# KiCad board panel.kicad_pcb (continued)
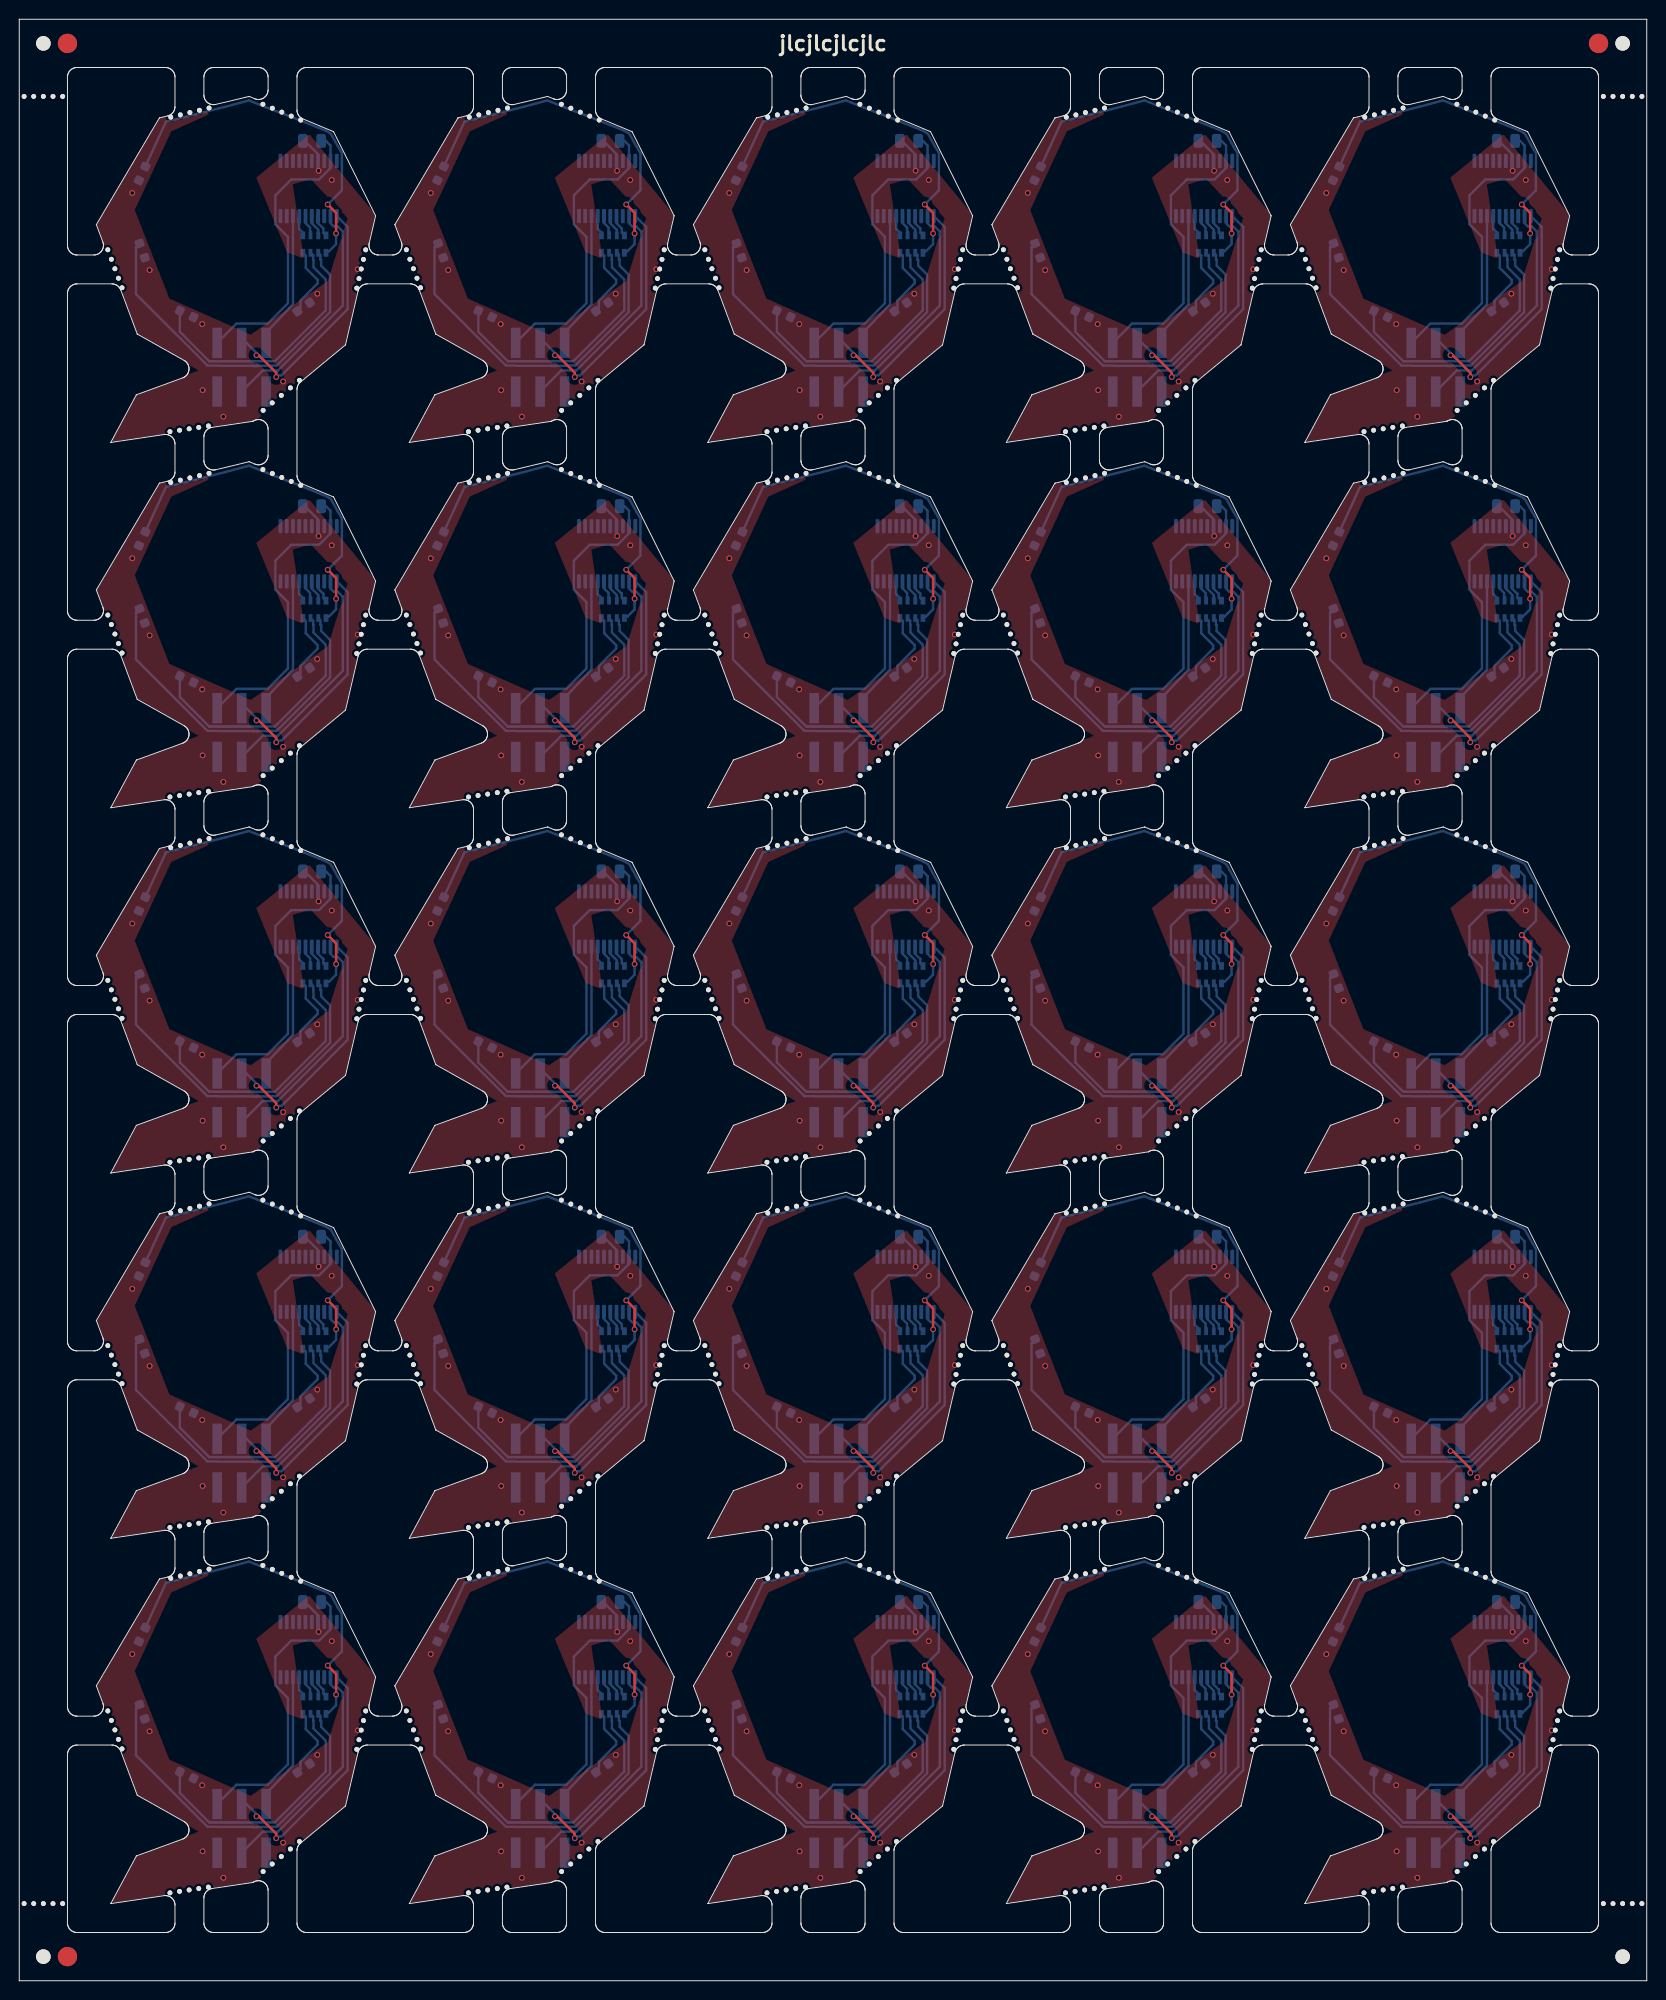
[diagram p0: board, top side]
## Placement (name value [footprint] x y rotation side) (continued)
U1#16  CH32V003FxPx  [TSSOP-20_4.4x6.5mm_P0.65mm]  91.98 110.11 270 bottom
U1#17  CH32V003FxPx  [TSSOP-20_4.4x6.5mm_P0.65mm]  122.96 185.88 270 bottom
U1#18  CH32V003FxPx  [TSSOP-20_4.4x6.5mm_P0.65mm]  153.94 147.99 270 bottom
U1#19  CH32V003FxPx  [TSSOP-20_4.4x6.5mm_P0.65mm]  91.98 72.22 270 bottom
U1#20  CH32V003FxPx  [TSSOP-20_4.4x6.5mm_P0.65mm]  61 147.99 270 bottom
U1#21  CH32V003FxPx  [TSSOP-20_4.4x6.5mm_P0.65mm]  153.94 72.22 270 bottom
U1#22  CH32V003FxPx  [TSSOP-20_4.4x6.5mm_P0.65mm]  61 110.11 270 bottom
U1#23  CH32V003FxPx  [TSSOP-20_4.4x6.5mm_P0.65mm]  61 72.22 270 bottom
U1#24  CH32V003FxPx  [TSSOP-20_4.4x6.5mm_P0.65mm]  61 34.34 270 bottom
U1#25  CH32V003FxPx  [TSSOP-20_4.4x6.5mm_P0.65mm]  153.94 110.11 270 bottom

## Library data of the parts
C1 C1#2-C1#25 = -: Description: Unpolarized capacitor, small symbol
U1 U1#2-U1#25 = -: Datasheet: https://www.wch-ic.com/products/CH32V003.html; Description: CH32V003 series are industrial-grade general-purpose microcontrollers designed based on 32-bit RISC-V instruction set and architecture. It adopts QingKe V2A core, RV32EC instruction set, and supports 2 levels of interrupt nesting. The series are mounted with rich peripheral interfaces and function modules. Its internal organizational structure meets the low-cost and low-power embedded application scenarios.

## Footprints (pads in the part's own frame, mm; a bottom-side part is the same pattern mirrored in y, then rotated)
C_0805_2012Metric
  rrect 1x1.45 smd: 1(-0.95,0) 2(0.95,0)
Fiducial
  round 2 smd: (0,0)
LED_0603_1608Metric
  rrect 0.875x0.95 smd: 1(-0.787,0) 2(0.787,0)
NPTH
  round 0.5 hole 0.5 unplated: (0,0)
NPTH#2
  round 1.5 hole 1.5 unplated: (0,0)
PinHeader_2x03_P2.54mm_Vertical_SMD
  rect 3.15x1 smd: 1(-2.525,2.54) 2(2.525,2.54) 3(-2.525,0) 4(2.525,0) 5(-2.525,-2.54) 6(2.525,-2.54)
R_Array_Convex_4x0603
  rect 0.8x0.5 smd: 1(-0.9,1.2) 4(-0.9,-1.2) 5(0.9,-1.2) 8(0.9,1.2)
  rect 0.8x0.4 smd: 2(-0.9,0.4) 3(-0.9,-0.4) 6(0.9,-0.4) 7(0.9,0.4)
TSSOP-20_4.4x6.5mm_P0.65mm
  rrect 1.475x0.4 smd: 1(-2.862,2.925) 2(-2.862,2.275) 3(-2.862,1.625) 4(-2.862,0.975) 5(-2.862,0.325) 6(-2.862,-0.325) 7(-2.862,-0.975) 8(-2.862,-1.625) 9(-2.862,-2.275) 10(-2.862,-2.925) 11(2.862,-2.925) 12(2.862,-2.275) 13(2.862,-1.625) 14(2.862,-0.975) 15(2.862,-0.325) 16(2.862,0.325) 17(2.862,0.975) 18(2.862,1.625) 19(2.862,2.275) 20(2.862,2.925)

## Nets
Board_0-A: RN1#25.8 U1#13.14
Board_0-B: RN1#25.7 U1#13.15
Board_0-C: RN1#25.6 U1#13.16
Board_0-D: RN1#25.5 U1#13.17
Board_0-Net-(D2-A): D2#14.2 RN1#25.1
Board_0-Net-(D4-A): D4#25.2 RN1#25.2
Board_0-Net-(D6-A): D6#5.2 RN1#25.3
Board_0-Net-(D8-A): D8#9.2 RN1#25.4
Board_0-SCL: J1#22.4 U1#13.12
Board_0-SDA: J1#22.3 U1#13.11
Board_0-SWIO: J1#22.5 U1#13.18
Board_0-unconnected-(J1-Pin_6-Pad6): J1#22.6
Board_0-unconnected-(U1-PA1-Pad5): U1#13.5
Board_0-unconnected-(U1-PA2-Pad6): U1#13.6
Board_0-unconnected-(U1-PC0-Pad10): U1#13.10
Board_0-unconnected-(U1-PC3-Pad13): U1#13.13
Board_0-unconnected-(U1-PD0-Pad8): U1#13.8
Board_0-unconnected-(U1-PD2-Pad19): U1#13.19
Board_0-unconnected-(U1-PD3-Pad20): U1#13.20
Board_0-unconnected-(U1-PD4-Pad1): U1#13.1
Board_0-unconnected-(U1-PD5-Pad2): U1#13.2
Board_0-unconnected-(U1-PD6-Pad3): U1#13.3
Board_0-unconnected-(U1-PD7-Pad4): U1#13.4
Board_0-VCC: C1#4.2 J1#22.1 U1#13.9
Board_0-VSS: C1#4.1 D2#14.1 D4#25.1 D6#5.1 D8#9.1 J1#22.2 U1#13.7
Board_1-A: RN1#10.8 U1.14
Board_1-B: RN1#10.7 U1.15
Board_1-C: RN1#10.6 U1.16
Board_1-D: RN1#10.5 U1.17
Board_1-Net-(D2-A): D2#10.2 RN1#10.1
Board_1-Net-(D4-A): D4#10.2 RN1#10.2
Board_1-Net-(D6-A): D6#15.2 RN1#10.3
Board_1-Net-(D8-A): D8#20.2 RN1#10.4
Board_1-SCL: J1#17.4 U1.12
Board_1-SDA: J1#17.3 U1.11
Board_1-SWIO: J1#17.5 U1.18
Board_1-unconnected-(J1-Pin_6-Pad6): J1#17.6
Board_1-unconnected-(U1-PA1-Pad5): U1.5
Board_1-unconnected-(U1-PA2-Pad6): U1.6
Board_1-unconnected-(U1-PC0-Pad10): U1.10
Board_1-unconnected-(U1-PC3-Pad13): U1.13
Board_1-unconnected-(U1-PD0-Pad8): U1.8
Board_1-unconnected-(U1-PD2-Pad19): U1.19
Board_1-unconnected-(U1-PD3-Pad20): U1.20
Board_1-unconnected-(U1-PD4-Pad1): U1.1
Board_1-unconnected-(U1-PD5-Pad2): U1.2
Board_1-unconnected-(U1-PD6-Pad3): U1.3
Board_1-unconnected-(U1-PD7-Pad4): U1.4
Board_1-VCC: C1#25.2 J1#17.1 U1.9
Board_1-VSS: C1#25.1 D2#10.1 D4#10.1 D6#15.1 D8#20.1 J1#17.2 U1.7
Board_2-A: RN1#12.8 U1#10.14
Board_2-B: RN1#12.7 U1#10.15
Board_2-C: RN1#12.6 U1#10.16
Board_2-D: RN1#12.5 U1#10.17
Board_2-Net-(D2-A): D2#22.2 RN1#12.1
Board_2-Net-(D4-A): D4#4.2 RN1#12.2
Board_2-Net-(D6-A): D6#20.2 RN1#12.3
Board_2-Net-(D8-A): D8#24.2 RN1#12.4
Board_2-SCL: J1#11.4 U1#10.12
Board_2-SDA: J1#11.3 U1#10.11
Board_2-SWIO: J1#11.5 U1#10.18
Board_2-unconnected-(J1-Pin_6-Pad6): J1#11.6
Board_2-unconnected-(U1-PA1-Pad5): U1#10.5
Board_2-unconnected-(U1-PA2-Pad6): U1#10.6
Board_2-unconnected-(U1-PC0-Pad10): U1#10.10
Board_2-unconnected-(U1-PC3-Pad13): U1#10.13
Board_2-unconnected-(U1-PD0-Pad8): U1#10.8
Board_2-unconnected-(U1-PD2-Pad19): U1#10.19
Board_2-unconnected-(U1-PD3-Pad20): U1#10.20
Board_2-unconnected-(U1-PD4-Pad1): U1#10.1
Board_2-unconnected-(U1-PD5-Pad2): U1#10.2
Board_2-unconnected-(U1-PD6-Pad3): U1#10.3
Board_2-unconnected-(U1-PD7-Pad4): U1#10.4
Board_2-VCC: C1#6.2 J1#11.1 U1#10.9
Board_2-VSS: C1#6.1 D2#22.1 D4#4.1 D6#20.1 D8#24.1 J1#11.2 U1#10.7
Board_3-A: RN1#7.8 U1#17.14
Board_3-B: RN1#7.7 U1#17.15
Board_3-C: RN1#7.6 U1#17.16
Board_3-D: RN1#7.5 U1#17.17
Board_3-Net-(D2-A): D2#6.2 RN1#7.1
Board_3-Net-(D4-A): D4#6.2 RN1#7.2
Board_3-Net-(D6-A): D6#4.2 RN1#7.3
Board_3-Net-(D8-A): D8#7.2 RN1#7.4
Board_3-SCL: J1#7.4 U1#17.12
Board_3-SDA: J1#7.3 U1#17.11
Board_3-SWIO: J1#7.5 U1#17.18
Board_3-unconnected-(J1-Pin_6-Pad6): J1#7.6
Board_3-unconnected-(U1-PA1-Pad5): U1#17.5
Board_3-unconnected-(U1-PA2-Pad6): U1#17.6
Board_3-unconnected-(U1-PC0-Pad10): U1#17.10
Board_3-unconnected-(U1-PC3-Pad13): U1#17.13
Board_3-unconnected-(U1-PD0-Pad8): U1#17.8
Board_3-unconnected-(U1-PD2-Pad19): U1#17.19
Board_3-unconnected-(U1-PD3-Pad20): U1#17.20
Board_3-unconnected-(U1-PD4-Pad1): U1#17.1
Board_3-unconnected-(U1-PD5-Pad2): U1#17.2
Board_3-unconnected-(U1-PD6-Pad3): U1#17.3
Board_3-unconnected-(U1-PD7-Pad4): U1#17.4
Board_3-VCC: C1#20.2 J1#7.1 U1#17.9
Board_3-VSS: C1#20.1 D2#6.1 D4#6.1 D6#4.1 D8#7.1 J1#7.2 U1#17.7
Board_4-A: RN1#20.8 U1#15.14
Board_4-B: RN1#20.7 U1#15.15
Board_4-C: RN1#20.6 U1#15.16
Board_4-D: RN1#20.5 U1#15.17
Board_4-Net-(D2-A): D2#12.2 RN1#20.1
Board_4-Net-(D4-A): D4#14.2 RN1#20.2
Board_4-Net-(D6-A): D6#9.2 RN1#20.3
Board_4-Net-(D8-A): D8#22.2 RN1#20.4
Board_4-SCL: J1#19.4 U1#15.12
Board_4-SDA: J1#19.3 U1#15.11
Board_4-SWIO: J1#19.5 U1#15.18
Board_4-unconnected-(J1-Pin_6-Pad6): J1#19.6
Board_4-unconnected-(U1-PA1-Pad5): U1#15.5
Board_4-unconnected-(U1-PA2-Pad6): U1#15.6
Board_4-unconnected-(U1-PC0-Pad10): U1#15.10
Board_4-unconnected-(U1-PC3-Pad13): U1#15.13
Board_4-unconnected-(U1-PD0-Pad8): U1#15.8
Board_4-unconnected-(U1-PD2-Pad19): U1#15.19
Board_4-unconnected-(U1-PD3-Pad20): U1#15.20
Board_4-unconnected-(U1-PD4-Pad1): U1#15.1
Board_4-unconnected-(U1-PD5-Pad2): U1#15.2
Board_4-unconnected-(U1-PD6-Pad3): U1#15.3
Board_4-unconnected-(U1-PD7-Pad4): U1#15.4
Board_4-VCC: C1#10.2 J1#19.1 U1#15.9
Board_4-VSS: C1#10.1 D2#12.1 D4#14.1 D6#9.1 D8#22.1 J1#19.2 U1#15.7
Board_5-A: RN1#6.8 U1#14.14
Board_5-B: RN1#6.7 U1#14.15
Board_5-C: RN1#6.6 U1#14.16
Board_5-D: RN1#6.5 U1#14.17
Board_5-Net-(D2-A): D2#18.2 RN1#6.1
Board_5-Net-(D4-A): D4.2 RN1#6.2
Board_5-Net-(D6-A): D6#18.2 RN1#6.3
Board_5-Net-(D8-A): D8#17.2 RN1#6.4
Board_5-SCL: J1.4 U1#14.12
Board_5-SDA: J1.3 U1#14.11
Board_5-SWIO: J1.5 U1#14.18
Board_5-unconnected-(J1-Pin_6-Pad6): J1.6
Board_5-unconnected-(U1-PA1-Pad5): U1#14.5
Board_5-unconnected-(U1-PA2-Pad6): U1#14.6
Board_5-unconnected-(U1-PC0-Pad10): U1#14.10
Board_5-unconnected-(U1-PC3-Pad13): U1#14.13
Board_5-unconnected-(U1-PD0-Pad8): U1#14.8
Board_5-unconnected-(U1-PD2-Pad19): U1#14.19
Board_5-unconnected-(U1-PD3-Pad20): U1#14.20
Board_5-unconnected-(U1-PD4-Pad1): U1#14.1
Board_5-unconnected-(U1-PD5-Pad2): U1#14.2
Board_5-unconnected-(U1-PD6-Pad3): U1#14.3
Board_5-unconnected-(U1-PD7-Pad4): U1#14.4
Board_5-VCC: C1#14.2 J1.1 U1#14.9
Board_5-VSS: C1#14.1 D2#18.1 D4.1 D6#18.1 D8#17.1 J1.2 U1#14.7
Board_6-A: RN1#22.8 U1#20.14
Board_6-B: RN1#22.7 U1#20.15
Board_6-C: RN1#22.6 U1#20.16
Board_6-D: RN1#22.5 U1#20.17
Board_6-Net-(D2-A): D2#24.2 RN1#22.1
Board_6-Net-(D4-A): D4#12.2 RN1#22.2
Board_6-Net-(D6-A): D6#6.2 RN1#22.3
Board_6-Net-(D8-A): D8#14.2 RN1#22.4
Board_6-SCL: J1#24.4 U1#20.12
Board_6-SDA: J1#24.3 U1#20.11
Board_6-SWIO: J1#24.5 U1#20.18
Board_6-unconnected-(J1-Pin_6-Pad6): J1#24.6
Board_6-unconnected-(U1-PA1-Pad5): U1#20.5
Board_6-unconnected-(U1-PA2-Pad6): U1#20.6
Board_6-unconnected-(U1-PC0-Pad10): U1#20.10
Board_6-unconnected-(U1-PC3-Pad13): U1#20.13
Board_6-unconnected-(U1-PD0-Pad8): U1#20.8
Board_6-unconnected-(U1-PD2-Pad19): U1#20.19
Board_6-unconnected-(U1-PD3-Pad20): U1#20.20
Board_6-unconnected-(U1-PD4-Pad1): U1#20.1
Board_6-unconnected-(U1-PD5-Pad2): U1#20.2
Board_6-unconnected-(U1-PD6-Pad3): U1#20.3
Board_6-unconnected-(U1-PD7-Pad4): U1#20.4
Board_6-VCC: C1#23.2 J1#24.1 U1#20.9
Board_6-VSS: C1#23.1 D2#24.1 D4#12.1 D6#6.1 D8#14.1 J1#24.2 U1#20.7
Board_7-A: RN1#11.8 U1#11.14
Board_7-B: RN1#11.7 U1#11.15
Board_7-C: RN1#11.6 U1#11.16
Board_7-D: RN1#11.5 U1#11.17
Board_7-Net-(D2-A): D2#19.2 RN1#11.1
Board_7-Net-(D4-A): D4#11.2 RN1#11.2
Board_7-Net-(D6-A): D6#25.2 RN1#11.3
Board_7-Net-(D8-A): D8#2.2 RN1#11.4
Board_7-SCL: J1#14.4 U1#11.12
Board_7-SDA: J1#14.3 U1#11.11
Board_7-SWIO: J1#14.5 U1#11.18
Board_7-unconnected-(J1-Pin_6-Pad6): J1#14.6
Board_7-unconnected-(U1-PA1-Pad5): U1#11.5
Board_7-unconnected-(U1-PA2-Pad6): U1#11.6
Board_7-unconnected-(U1-PC0-Pad10): U1#11.10
Board_7-unconnected-(U1-PC3-Pad13): U1#11.13
Board_7-unconnected-(U1-PD0-Pad8): U1#11.8
Board_7-unconnected-(U1-PD2-Pad19): U1#11.19
Board_7-unconnected-(U1-PD3-Pad20): U1#11.20
Board_7-unconnected-(U1-PD4-Pad1): U1#11.1
Board_7-unconnected-(U1-PD5-Pad2): U1#11.2
Board_7-unconnected-(U1-PD6-Pad3): U1#11.3
Board_7-unconnected-(U1-PD7-Pad4): U1#11.4
Board_7-VCC: C1#3.2 J1#14.1 U1#11.9
Board_7-VSS: C1#3.1 D2#19.1 D4#11.1 D6#25.1 D8#2.1 J1#14.2 U1#11.7
Board_8-A: RN1#17.8 U1#4.14
Board_8-B: RN1#17.7 U1#4.15
Board_8-C: RN1#17.6 U1#4.16
Board_8-D: RN1#17.5 U1#4.17
Board_8-Net-(D2-A): D2#11.2 RN1#17.1
Board_8-Net-(D4-A): D4#7.2 RN1#17.2
Board_8-Net-(D6-A): D6#22.2 RN1#17.3
Board_8-Net-(D8-A): D8#18.2 RN1#17.4
Board_8-SCL: J1#5.4 U1#4.12
Board_8-SDA: J1#5.3 U1#4.11
Board_8-SWIO: J1#5.5 U1#4.18
Board_8-unconnected-(J1-Pin_6-Pad6): J1#5.6
Board_8-unconnected-(U1-PA1-Pad5): U1#4.5
Board_8-unconnected-(U1-PA2-Pad6): U1#4.6
Board_8-unconnected-(U1-PC0-Pad10): U1#4.10
Board_8-unconnected-(U1-PC3-Pad13): U1#4.13
Board_8-unconnected-(U1-PD0-Pad8): U1#4.8
Board_8-unconnected-(U1-PD2-Pad19): U1#4.19
Board_8-unconnected-(U1-PD3-Pad20): U1#4.20
Board_8-unconnected-(U1-PD4-Pad1): U1#4.1
Board_8-unconnected-(U1-PD5-Pad2): U1#4.2
Board_8-unconnected-(U1-PD6-Pad3): U1#4.3
Board_8-unconnected-(U1-PD7-Pad4): U1#4.4
Board_8-VCC: C1#7.2 J1#5.1 U1#4.9
Board_8-VSS: C1#7.1 D2#11.1 D4#7.1 D6#22.1 D8#18.1 J1#5.2 U1#4.7
Board_9-A: RN1#9.8 U1#18.14
Board_9-B: RN1#9.7 U1#18.15
Board_9-C: RN1#9.6 U1#18.16
Board_9-D: RN1#9.5 U1#18.17
Board_9-Net-(D2-A): D2#13.2 RN1#9.1
Board_9-Net-(D4-A): D4#5.2 RN1#9.2
Board_9-Net-(D6-A): D6#13.2 RN1#9.3
Board_9-Net-(D8-A): D8#23.2 RN1#9.4
Board_9-SCL: J1#21.4 U1#18.12
Board_9-SDA: J1#21.3 U1#18.11
Board_9-SWIO: J1#21.5 U1#18.18
Board_9-unconnected-(J1-Pin_6-Pad6): J1#21.6
Board_9-unconnected-(U1-PA1-Pad5): U1#18.5
Board_9-unconnected-(U1-PA2-Pad6): U1#18.6
Board_9-unconnected-(U1-PC0-Pad10): U1#18.10
Board_9-unconnected-(U1-PC3-Pad13): U1#18.13
Board_9-unconnected-(U1-PD0-Pad8): U1#18.8
Board_9-unconnected-(U1-PD2-Pad19): U1#18.19
Board_9-unconnected-(U1-PD3-Pad20): U1#18.20
Board_9-unconnected-(U1-PD4-Pad1): U1#18.1
Board_9-unconnected-(U1-PD5-Pad2): U1#18.2
Board_9-unconnected-(U1-PD6-Pad3): U1#18.3
Board_9-unconnected-(U1-PD7-Pad4): U1#18.4
Board_9-VCC: C1#13.2 J1#21.1 U1#18.9
Board_9-VSS: C1#13.1 D2#13.1 D4#5.1 D6#13.1 D8#23.1 J1#21.2 U1#18.7
Board_10-A: RN1#24.8 U1#9.14
Board_10-B: RN1#24.7 U1#9.15
Board_10-C: RN1#24.6 U1#9.16
Board_10-D: RN1#24.5 U1#9.17
Board_10-Net-(D2-A): D2#17.2 RN1#24.1
Board_10-Net-(D4-A): D4#9.2 RN1#24.2
Board_10-Net-(D6-A): D6#8.2 RN1#24.3
Board_10-Net-(D8-A): D8#13.2 RN1#24.4
Board_10-SCL: J1#18.4 U1#9.12
Board_10-SDA: J1#18.3 U1#9.11
Board_10-SWIO: J1#18.5 U1#9.18
Board_10-unconnected-(J1-Pin_6-Pad6): J1#18.6
Board_10-unconnected-(U1-PA1-Pad5): U1#9.5
Board_10-unconnected-(U1-PA2-Pad6): U1#9.6
Board_10-unconnected-(U1-PC0-Pad10): U1#9.10
Board_10-unconnected-(U1-PC3-Pad13): U1#9.13
Board_10-unconnected-(U1-PD0-Pad8): U1#9.8
Board_10-unconnected-(U1-PD2-Pad19): U1#9.19
Board_10-unconnected-(U1-PD3-Pad20): U1#9.20
Board_10-unconnected-(U1-PD4-Pad1): U1#9.1
Board_10-unconnected-(U1-PD5-Pad2): U1#9.2
Board_10-unconnected-(U1-PD6-Pad3): U1#9.3
Board_10-unconnected-(U1-PD7-Pad4): U1#9.4
Board_10-VCC: C1#22.2 J1#18.1 U1#9.9
Board_10-VSS: C1#22.1 D2#17.1 D4#9.1 D6#8.1 D8#13.1 J1#18.2 U1#9.7
Board_11-A: RN1#14.8 U1#22.14
Board_11-B: RN1#14.7 U1#22.15
Board_11-C: RN1#14.6 U1#22.16
Board_11-D: RN1#14.5 U1#22.17
Board_11-Net-(D2-A): D2#2.2 RN1#14.1
Board_11-Net-(D4-A): D4#20.2 RN1#14.2
Board_11-Net-(D6-A): D6#3.2 RN1#14.3
Board_11-Net-(D8-A): D8#3.2 RN1#14.4
Board_11-SCL: J1#13.4 U1#22.12
Board_11-SDA: J1#13.3 U1#22.11
Board_11-SWIO: J1#13.5 U1#22.18
Board_11-unconnected-(J1-Pin_6-Pad6): J1#13.6
Board_11-unconnected-(U1-PA1-Pad5): U1#22.5
Board_11-unconnected-(U1-PA2-Pad6): U1#22.6
Board_11-unconnected-(U1-PC0-Pad10): U1#22.10
Board_11-unconnected-(U1-PC3-Pad13): U1#22.13
Board_11-unconnected-(U1-PD0-Pad8): U1#22.8
Board_11-unconnected-(U1-PD2-Pad19): U1#22.19
Board_11-unconnected-(U1-PD3-Pad20): U1#22.20
Board_11-unconnected-(U1-PD4-Pad1): U1#22.1
Board_11-unconnected-(U1-PD5-Pad2): U1#22.2
Board_11-unconnected-(U1-PD6-Pad3): U1#22.3
Board_11-unconnected-(U1-PD7-Pad4): U1#22.4
Board_11-VCC: C1#12.2 J1#13.1 U1#22.9
Board_11-VSS: C1#12.1 D2#2.1 D4#20.1 D6#3.1 D8#3.1 J1#13.2 U1#22.7
Board_12-A: RN1.8 U1#16.14
Board_12-B: RN1.7 U1#16.15
Board_12-C: RN1.6 U1#16.16
Board_12-D: RN1.5 U1#16.17
Board_12-Net-(D2-A): D2#21.2 RN1.1
Board_12-Net-(D4-A): D4#18.2 RN1.2
Board_12-Net-(D6-A): D6#10.2 RN1.3
Board_12-Net-(D8-A): D8#25.2 RN1.4
Board_12-SCL: J1#20.4 U1#16.12
Board_12-SDA: J1#20.3 U1#16.11
Board_12-SWIO: J1#20.5 U1#16.18
Board_12-unconnected-(J1-Pin_6-Pad6): J1#20.6
Board_12-unconnected-(U1-PA1-Pad5): U1#16.5
Board_12-unconnected-(U1-PA2-Pad6): U1#16.6
Board_12-unconnected-(U1-PC0-Pad10): U1#16.10
Board_12-unconnected-(U1-PC3-Pad13): U1#16.13
Board_12-unconnected-(U1-PD0-Pad8): U1#16.8
Board_12-unconnected-(U1-PD2-Pad19): U1#16.19
Board_12-unconnected-(U1-PD3-Pad20): U1#16.20
Board_12-unconnected-(U1-PD4-Pad1): U1#16.1
Board_12-unconnected-(U1-PD5-Pad2): U1#16.2
Board_12-unconnected-(U1-PD6-Pad3): U1#16.3
Board_12-unconnected-(U1-PD7-Pad4): U1#16.4
Board_12-VCC: C1#16.2 J1#20.1 U1#16.9
Board_12-VSS: C1#16.1 D2#21.1 D4#18.1 D6#10.1 D8#25.1 J1#20.2 U1#16.7
Board_13-A: RN1#8.8 U1#12.14
Board_13-B: RN1#8.7 U1#12.15
Board_13-C: RN1#8.6 U1#12.16
Board_13-D: RN1#8.5 U1#12.17
Board_13-Net-(D2-A): D2#5.2 RN1#8.1
Board_13-Net-(D4-A): D4#8.2 RN1#8.2
Board_13-Net-(D6-A): D6#2.2 RN1#8.3
Board_13-Net-(D8-A): D8#6.2 RN1#8.4
Board_13-SCL: J1#15.4 U1#12.12
Board_13-SDA: J1#15.3 U1#12.11
Board_13-SWIO: J1#15.5 U1#12.18
Board_13-unconnected-(J1-Pin_6-Pad6): J1#15.6
Board_13-unconnected-(U1-PA1-Pad5): U1#12.5
Board_13-unconnected-(U1-PA2-Pad6): U1#12.6
Board_13-unconnected-(U1-PC0-Pad10): U1#12.10
Board_13-unconnected-(U1-PC3-Pad13): U1#12.13
Board_13-unconnected-(U1-PD0-Pad8): U1#12.8
Board_13-unconnected-(U1-PD2-Pad19): U1#12.19
Board_13-unconnected-(U1-PD3-Pad20): U1#12.20
Board_13-unconnected-(U1-PD4-Pad1): U1#12.1
Board_13-unconnected-(U1-PD5-Pad2): U1#12.2
Board_13-unconnected-(U1-PD6-Pad3): U1#12.3
Board_13-unconnected-(U1-PD7-Pad4): U1#12.4
Board_13-VCC: C1#15.2 J1#15.1 U1#12.9
Board_13-VSS: C1#15.1 D2#5.1 D4#8.1 D6#2.1 D8#6.1 J1#15.2 U1#12.7
Board_14-A: RN1#13.8 U1#25.14
Board_14-B: RN1#13.7 U1#25.15
Board_14-C: RN1#13.6 U1#25.16
Board_14-D: RN1#13.5 U1#25.17
Board_14-Net-(D2-A): D2#8.2 RN1#13.1
Board_14-Net-(D4-A): D4#16.2 RN1#13.2
Board_14-Net-(D6-A): D6#24.2 RN1#13.3
Board_14-Net-(D8-A): D8#19.2 RN1#13.4
Board_14-SCL: J1#9.4 U1#25.12
Board_14-SDA: J1#9.3 U1#25.11
Board_14-SWIO: J1#9.5 U1#25.18
Board_14-unconnected-(J1-Pin_6-Pad6): J1#9.6
Board_14-unconnected-(U1-PA1-Pad5): U1#25.5
Board_14-unconnected-(U1-PA2-Pad6): U1#25.6
Board_14-unconnected-(U1-PC0-Pad10): U1#25.10
Board_14-unconnected-(U1-PC3-Pad13): U1#25.13
Board_14-unconnected-(U1-PD0-Pad8): U1#25.8
Board_14-unconnected-(U1-PD2-Pad19): U1#25.19
Board_14-unconnected-(U1-PD3-Pad20): U1#25.20
Board_14-unconnected-(U1-PD4-Pad1): U1#25.1
Board_14-unconnected-(U1-PD5-Pad2): U1#25.2
Board_14-unconnected-(U1-PD6-Pad3): U1#25.3
Board_14-unconnected-(U1-PD7-Pad4): U1#25.4
Board_14-VCC: C1#2.2 J1#9.1 U1#25.9
Board_14-VSS: C1#2.1 D2#8.1 D4#16.1 D6#24.1 D8#19.1 J1#9.2 U1#25.7
Board_15-A: RN1#3.8 U1#5.14
Board_15-B: RN1#3.7 U1#5.15
Board_15-C: RN1#3.6 U1#5.16
Board_15-D: RN1#3.5 U1#5.17
Board_15-Net-(D2-A): D2#9.2 RN1#3.1
Board_15-Net-(D4-A): D4#23.2 RN1#3.2
Board_15-Net-(D6-A): D6#14.2 RN1#3.3
Board_15-Net-(D8-A): D8#10.2 RN1#3.4
Board_15-SCL: J1#25.4 U1#5.12
Board_15-SDA: J1#25.3 U1#5.11
Board_15-SWIO: J1#25.5 U1#5.18
Board_15-unconnected-(J1-Pin_6-Pad6): J1#25.6
Board_15-unconnected-(U1-PA1-Pad5): U1#5.5
Board_15-unconnected-(U1-PA2-Pad6): U1#5.6
Board_15-unconnected-(U1-PC0-Pad10): U1#5.10
Board_15-unconnected-(U1-PC3-Pad13): U1#5.13
Board_15-unconnected-(U1-PD0-Pad8): U1#5.8
Board_15-unconnected-(U1-PD2-Pad19): U1#5.19
Board_15-unconnected-(U1-PD3-Pad20): U1#5.20
Board_15-unconnected-(U1-PD4-Pad1): U1#5.1
Board_15-unconnected-(U1-PD5-Pad2): U1#5.2
Board_15-unconnected-(U1-PD6-Pad3): U1#5.3
Board_15-unconnected-(U1-PD7-Pad4): U1#5.4
Board_15-VCC: C1#24.2 J1#25.1 U1#5.9
Board_15-VSS: C1#24.1 D2#9.1 D4#23.1 D6#14.1 D8#10.1 J1#25.2 U1#5.7
Board_16-A: RN1#18.8 U1#23.14
Board_16-B: RN1#18.7 U1#23.15
Board_16-C: RN1#18.6 U1#23.16
Board_16-D: RN1#18.5 U1#23.17
Board_16-Net-(D2-A): D2#23.2 RN1#18.1
Board_16-Net-(D4-A): D4#17.2 RN1#18.2
Board_16-Net-(D6-A): D6#16.2 RN1#18.3
Board_16-Net-(D8-A): D8#5.2 RN1#18.4
Board_16-SCL: J1#16.4 U1#23.12
Board_16-SDA: J1#16.3 U1#23.11
Board_16-SWIO: J1#16.5 U1#23.18
Board_16-unconnected-(J1-Pin_6-Pad6): J1#16.6
Board_16-unconnected-(U1-PA1-Pad5): U1#23.5
Board_16-unconnected-(U1-PA2-Pad6): U1#23.6
Board_16-unconnected-(U1-PC0-Pad10): U1#23.10
Board_16-unconnected-(U1-PC3-Pad13): U1#23.13
Board_16-unconnected-(U1-PD0-Pad8): U1#23.8
Board_16-unconnected-(U1-PD2-Pad19): U1#23.19
Board_16-unconnected-(U1-PD3-Pad20): U1#23.20
Board_16-unconnected-(U1-PD4-Pad1): U1#23.1
Board_16-unconnected-(U1-PD5-Pad2): U1#23.2
Board_16-unconnected-(U1-PD6-Pad3): U1#23.3
Board_16-unconnected-(U1-PD7-Pad4): U1#23.4
Board_16-VCC: C1#18.2 J1#16.1 U1#23.9
Board_16-VSS: C1#18.1 D2#23.1 D4#17.1 D6#16.1 D8#5.1 J1#16.2 U1#23.7
Board_17-A: RN1#2.8 U1#19.14
Board_17-B: RN1#2.7 U1#19.15
Board_17-C: RN1#2.6 U1#19.16
Board_17-D: RN1#2.5 U1#19.17
Board_17-Net-(D2-A): D2#20.2 RN1#2.1
Board_17-Net-(D4-A): D4#13.2 RN1#2.2
Board_17-Net-(D6-A): D6#12.2 RN1#2.3
Board_17-Net-(D8-A): D8#8.2 RN1#2.4
Board_17-SCL: J1#10.4 U1#19.12
Board_17-SDA: J1#10.3 U1#19.11
Board_17-SWIO: J1#10.5 U1#19.18
Board_17-unconnected-(J1-Pin_6-Pad6): J1#10.6
Board_17-unconnected-(U1-PA1-Pad5): U1#19.5
Board_17-unconnected-(U1-PA2-Pad6): U1#19.6
Board_17-unconnected-(U1-PC0-Pad10): U1#19.10
Board_17-unconnected-(U1-PC3-Pad13): U1#19.13
Board_17-unconnected-(U1-PD0-Pad8): U1#19.8
Board_17-unconnected-(U1-PD2-Pad19): U1#19.19
Board_17-unconnected-(U1-PD3-Pad20): U1#19.20
Board_17-unconnected-(U1-PD4-Pad1): U1#19.1
Board_17-unconnected-(U1-PD5-Pad2): U1#19.2
Board_17-unconnected-(U1-PD6-Pad3): U1#19.3
Board_17-unconnected-(U1-PD7-Pad4): U1#19.4
Board_17-VCC: C1#21.2 J1#10.1 U1#19.9
Board_17-VSS: C1#21.1 D2#20.1 D4#13.1 D6#12.1 D8#8.1 J1#10.2 U1#19.7
Board_18-A: RN1#15.8 U1#7.14
Board_18-B: RN1#15.7 U1#7.15
Board_18-C: RN1#15.6 U1#7.16
Board_18-D: RN1#15.5 U1#7.17
Board_18-Net-(D2-A): D2#25.2 RN1#15.1
Board_18-Net-(D4-A): D4#19.2 RN1#15.2
Board_18-Net-(D6-A): D6#7.2 RN1#15.3
Board_18-Net-(D8-A): D8.2 RN1#15.4
Board_18-SCL: J1#6.4 U1#7.12
Board_18-SDA: J1#6.3 U1#7.11
Board_18-SWIO: J1#6.5 U1#7.18
Board_18-unconnected-(J1-Pin_6-Pad6): J1#6.6
Board_18-unconnected-(U1-PA1-Pad5): U1#7.5
Board_18-unconnected-(U1-PA2-Pad6): U1#7.6
Board_18-unconnected-(U1-PC0-Pad10): U1#7.10
Board_18-unconnected-(U1-PC3-Pad13): U1#7.13
Board_18-unconnected-(U1-PD0-Pad8): U1#7.8
Board_18-unconnected-(U1-PD2-Pad19): U1#7.19
Board_18-unconnected-(U1-PD3-Pad20): U1#7.20
Board_18-unconnected-(U1-PD4-Pad1): U1#7.1
Board_18-unconnected-(U1-PD5-Pad2): U1#7.2
Board_18-unconnected-(U1-PD6-Pad3): U1#7.3
Board_18-unconnected-(U1-PD7-Pad4): U1#7.4
Board_18-VCC: C1#5.2 J1#6.1 U1#7.9
Board_18-VSS: C1#5.1 D2#25.1 D4#19.1 D6#7.1 D8.1 J1#6.2 U1#7.7
Board_19-A: RN1#16.8 U1#21.14
Board_19-B: RN1#16.7 U1#21.15
Board_19-C: RN1#16.6 U1#21.16
Board_19-D: RN1#16.5 U1#21.17
Board_19-Net-(D2-A): D2#16.2 RN1#16.1
Board_19-Net-(D4-A): D4#24.2 RN1#16.2
Board_19-Net-(D6-A): D6#23.2 RN1#16.3
Board_19-Net-(D8-A): D8#21.2 RN1#16.4
Board_19-SCL: J1#4.4 U1#21.12
Board_19-SDA: J1#4.3 U1#21.11
Board_19-SWIO: J1#4.5 U1#21.18
Board_19-unconnected-(J1-Pin_6-Pad6): J1#4.6
Board_19-unconnected-(U1-PA1-Pad5): U1#21.5
Board_19-unconnected-(U1-PA2-Pad6): U1#21.6
Board_19-unconnected-(U1-PC0-Pad10): U1#21.10
Board_19-unconnected-(U1-PC3-Pad13): U1#21.13
Board_19-unconnected-(U1-PD0-Pad8): U1#21.8
Board_19-unconnected-(U1-PD2-Pad19): U1#21.19
Board_19-unconnected-(U1-PD3-Pad20): U1#21.20
Board_19-unconnected-(U1-PD4-Pad1): U1#21.1
Board_19-unconnected-(U1-PD5-Pad2): U1#21.2
Board_19-unconnected-(U1-PD6-Pad3): U1#21.3
Board_19-unconnected-(U1-PD7-Pad4): U1#21.4
Board_19-VCC: C1#11.2 J1#4.1 U1#21.9
Board_19-VSS: C1#11.1 D2#16.1 D4#24.1 D6#23.1 D8#21.1 J1#4.2 U1#21.7
Board_20-A: RN1#21.8 U1#3.14
Board_20-B: RN1#21.7 U1#3.15
Board_20-C: RN1#21.6 U1#3.16
Board_20-D: RN1#21.5 U1#3.17
Board_20-Net-(D2-A): D2#4.2 RN1#21.1
Board_20-Net-(D4-A): D4#22.2 RN1#21.2
Board_20-Net-(D6-A): D6#19.2 RN1#21.3
Board_20-Net-(D8-A): D8#12.2 RN1#21.4
Board_20-SCL: J1#8.4 U1#3.12
Board_20-SDA: J1#8.3 U1#3.11
Board_20-SWIO: J1#8.5 U1#3.18
Board_20-unconnected-(J1-Pin_6-Pad6): J1#8.6
Board_20-unconnected-(U1-PA1-Pad5): U1#3.5
Board_20-unconnected-(U1-PA2-Pad6): U1#3.6
Board_20-unconnected-(U1-PC0-Pad10): U1#3.10
Board_20-unconnected-(U1-PC3-Pad13): U1#3.13
Board_20-unconnected-(U1-PD0-Pad8): U1#3.8
Board_20-unconnected-(U1-PD2-Pad19): U1#3.19
Board_20-unconnected-(U1-PD3-Pad20): U1#3.20
Board_20-unconnected-(U1-PD4-Pad1): U1#3.1
Board_20-unconnected-(U1-PD5-Pad2): U1#3.2
Board_20-unconnected-(U1-PD6-Pad3): U1#3.3
Board_20-unconnected-(U1-PD7-Pad4): U1#3.4
Board_20-VCC: C1.2 J1#8.1 U1#3.9
Board_20-VSS: C1.1 D2#4.1 D4#22.1 D6#19.1 D8#12.1 J1#8.2 U1#3.7
Board_21-A: RN1#4.8 U1#24.14
Board_21-B: RN1#4.7 U1#24.15
Board_21-C: RN1#4.6 U1#24.16
Board_21-D: RN1#4.5 U1#24.17
Board_21-Net-(D2-A): D2#3.2 RN1#4.1
Board_21-Net-(D4-A): D4#15.2 RN1#4.2
Board_21-Net-(D6-A): D6.2 RN1#4.3
Board_21-Net-(D8-A): D8#11.2 RN1#4.4
Board_21-SCL: J1#2.4 U1#24.12
Board_21-SDA: J1#2.3 U1#24.11
Board_21-SWIO: J1#2.5 U1#24.18
Board_21-unconnected-(J1-Pin_6-Pad6): J1#2.6
Board_21-unconnected-(U1-PA1-Pad5): U1#24.5
Board_21-unconnected-(U1-PA2-Pad6): U1#24.6
Board_21-unconnected-(U1-PC0-Pad10): U1#24.10
Board_21-unconnected-(U1-PC3-Pad13): U1#24.13
Board_21-unconnected-(U1-PD0-Pad8): U1#24.8
Board_21-unconnected-(U1-PD2-Pad19): U1#24.19
Board_21-unconnected-(U1-PD3-Pad20): U1#24.20
Board_21-unconnected-(U1-PD4-Pad1): U1#24.1
Board_21-unconnected-(U1-PD5-Pad2): U1#24.2
Board_21-unconnected-(U1-PD6-Pad3): U1#24.3
Board_21-unconnected-(U1-PD7-Pad4): U1#24.4
Board_21-VCC: C1#17.2 J1#2.1 U1#24.9
Board_21-VSS: C1#17.1 D2#3.1 D4#15.1 D6.1 D8#11.1 J1#2.2 U1#24.7
Board_22-A: RN1#5.8 U1#8.14
Board_22-B: RN1#5.7 U1#8.15
Board_22-C: RN1#5.6 U1#8.16
Board_22-D: RN1#5.5 U1#8.17
Board_22-Net-(D2-A): D2.2 RN1#5.1
Board_22-Net-(D4-A): D4#3.2 RN1#5.2
Board_22-Net-(D6-A): D6#11.2 RN1#5.3
Board_22-Net-(D8-A): D8#4.2 RN1#5.4
Board_22-SCL: J1#23.4 U1#8.12
Board_22-SDA: J1#23.3 U1#8.11
Board_22-SWIO: J1#23.5 U1#8.18
Board_22-unconnected-(J1-Pin_6-Pad6): J1#23.6
Board_22-unconnected-(U1-PA1-Pad5): U1#8.5
Board_22-unconnected-(U1-PA2-Pad6): U1#8.6
Board_22-unconnected-(U1-PC0-Pad10): U1#8.10
Board_22-unconnected-(U1-PC3-Pad13): U1#8.13
Board_22-unconnected-(U1-PD0-Pad8): U1#8.8
Board_22-unconnected-(U1-PD2-Pad19): U1#8.19
Board_22-unconnected-(U1-PD3-Pad20): U1#8.20
Board_22-unconnected-(U1-PD4-Pad1): U1#8.1
Board_22-unconnected-(U1-PD5-Pad2): U1#8.2
Board_22-unconnected-(U1-PD6-Pad3): U1#8.3
Board_22-unconnected-(U1-PD7-Pad4): U1#8.4
Board_22-VCC: C1#9.2 J1#23.1 U1#8.9
Board_22-VSS: C1#9.1 D2.1 D4#3.1 D6#11.1 D8#4.1 J1#23.2 U1#8.7